# Altium PCB SAM_E54_Xplained_Pro.PcbDoc (part 5 of 5)
Units mm, origin at the board's own origin, x right, y up, seen from the top; angles counter-clockwise.
Board outline 80 x 100 mm, 4 copper layers (Top Layer LF-signals, GND, POWER, Bottom Layer LF-signals), stack 1.598 mm thick; 301 components, 262 nets, 1303 pads, 552 vias.
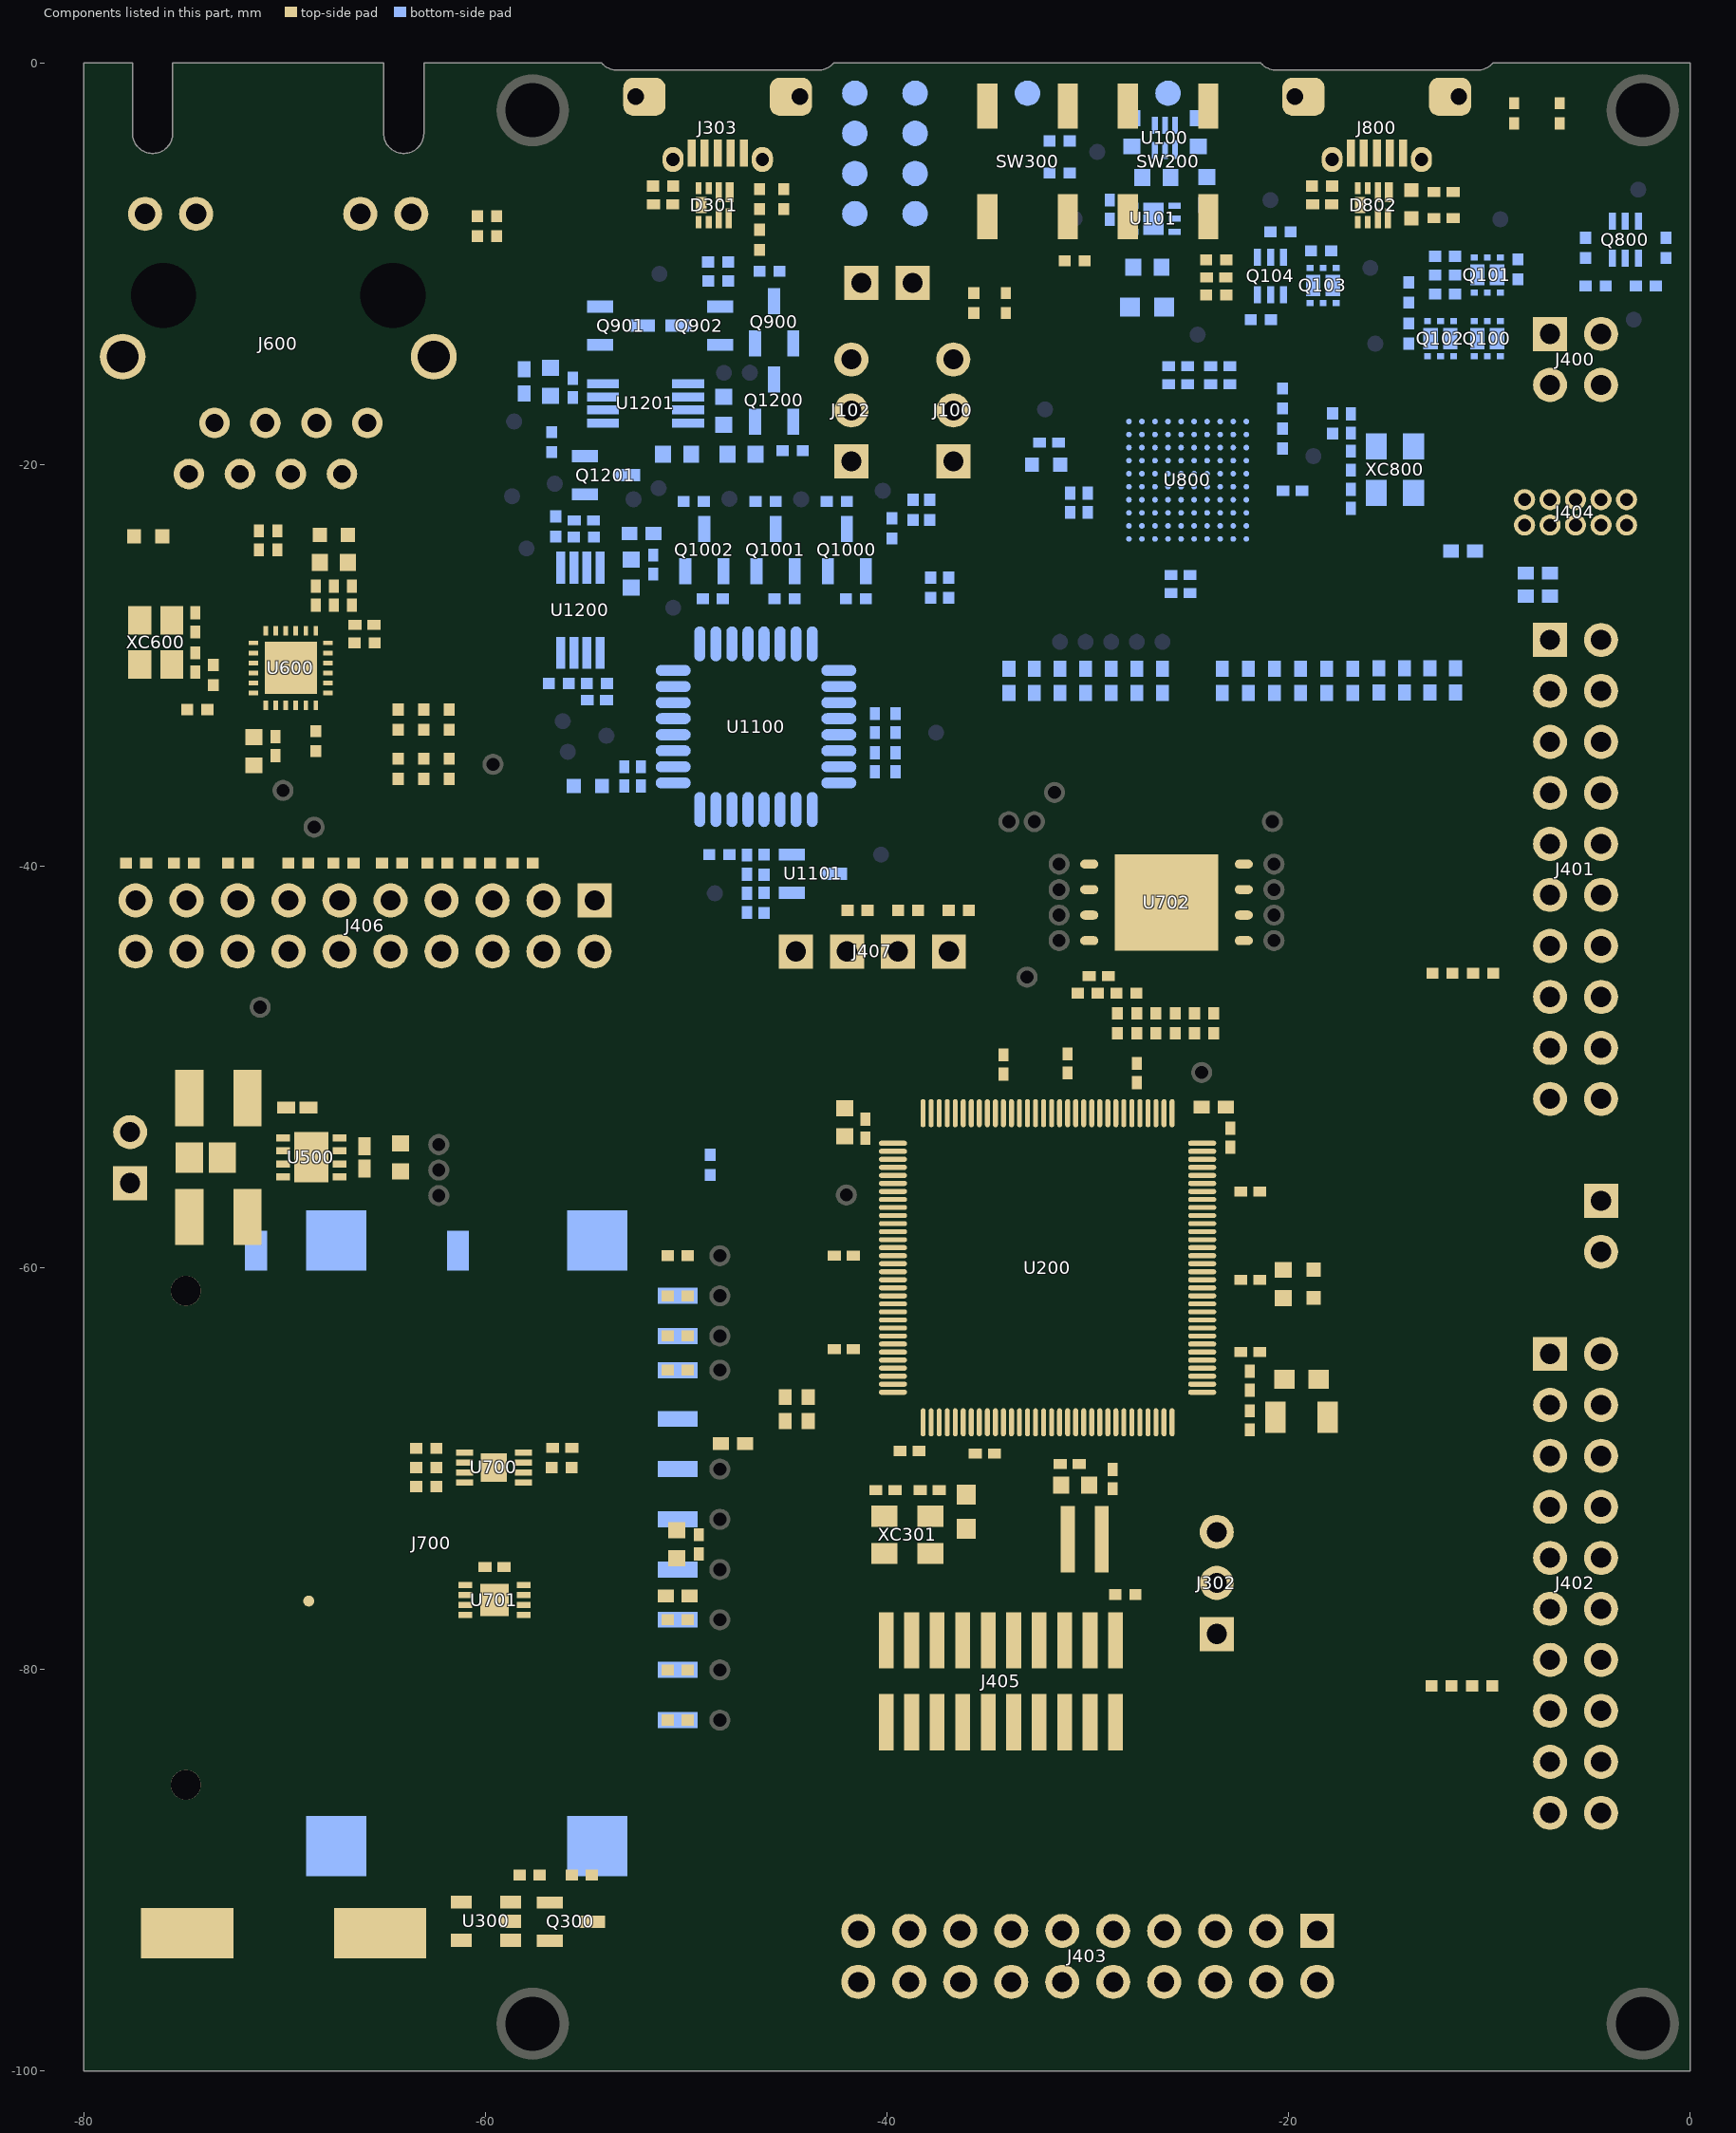
[diagram p7: the components of this part, seen from the top]

## Via types
v1: diameter 0.55, hole 0.25, Top Layer LF-signals to Bottom Layer LF-signals, 333 vias
v2: diameter 0.55, hole 0.25, Top Layer LF-signals to Bottom Layer LF-signals, tented both sides, 116 vias
v3: diameter 0.55/0.8 (per signal layer), hole 0.25, Top Layer LF-signals to Bottom Layer LF-signals, tented top, 65 vias
v4: diameter 0.55, hole 0.25, Top Layer LF-signals to Bottom Layer LF-signals, tented top, 13 vias
v5: diameter 0.4, hole 0.2, Top Layer LF-signals to Bottom Layer LF-signals, tented top, 10 vias
v6: diameter 0.4, hole 0.2, Top Layer LF-signals to Bottom Layer LF-signals, tented both sides, 8 vias
v7: diameter 0.7, hole 0.35, Top Layer LF-signals to Bottom Layer LF-signals, 4 vias
v8: diameter 0.4, hole 0.2, Top Layer LF-signals to Bottom Layer LF-signals, 3 vias

## Nets (pads, with @x,y where several pads share a name; then routed paths per layer and width w, separated by ;. In a path a pad name is that pad's centre, name@x,y a point inside that pad or via, vN(x,y) a via of type N, cw(c..) or ccw(c..) an arc to the next point about the centre after c; other vN are vias at no path point) (continued)
pads on no net: J100.1@-36.696,-19.84 J100.2@-36.696,-17.3 J100.3@-36.696,-14.76 J102.1@-41.776,-19.84 J102.2@-41.776,-17.3 J102.3@-41.776,-14.76 J302.1@-23.575,-78.24 J302.2@-23.575,-75.7 J302.3@-23.575,-73.16 J303.6@-44.834,-1.675 J303.7@-52.034,-1.675 J303.8@-46.209,-4.8 J303.9@-50.659,-4.8 J400.1@-6.97,-13.49 J400.2@-4.43,-13.49 J400.3@-6.97,-16.03 J400.4@-4.43,-16.03 J401.1@-6.97,-28.73 J401.2@-4.43,-28.73 J401.3@-6.97,-31.27 J401.4@-4.43,-31.27 J401.5@-6.97,-33.81 J401.6@-4.43,-33.81 J401.7@-6.97,-36.35 J401.8@-4.43,-36.35 J401.9@-6.97,-38.89 J401.10@-4.43,-38.89 J401.11@-6.97,-41.43 J401.12@-4.43,-41.43 J401.13@-6.97,-43.97 J401.14@-4.43,-43.97 J401.15@-6.97,-46.51 J401.16@-4.43,-46.51 J401.17@-6.97,-49.05 J401.18@-4.43,-49.05 J401.19@-6.97,-51.59 J401.20@-4.43,-51.59 J402.1@-6.97,-64.29 J402.2@-4.43,-64.29 J402.3@-6.97,-66.83 J402.4@-4.43,-66.83 J402.5@-6.97,-69.37 J402.6@-4.43,-69.37 J402.7@-6.97,-71.91 J402.8@-4.43,-71.91 J402.9@-6.97,-74.45 J402.10@-4.43,-74.45 J402.11@-6.97,-76.99 J402.12@-4.43,-76.99 J402.13@-6.97,-79.53 J402.14@-4.43,-79.53 J402.15@-6.97,-82.07 J402.16@-4.43,-82.07 J402.17@-6.97,-84.61 J402.18@-4.43,-84.61 J402.19@-6.97,-87.15 J402.20@-4.43,-87.15 J403.1@-18.57,-93.03 J403.2@-18.57,-95.57 J403.3@-21.11,-93.03 J403.4@-21.11,-95.57 J403.5@-23.65,-93.03 J403.6@-23.65,-95.57 J403.7@-26.19,-93.03 J403.8@-26.19,-95.57 J403.9@-28.73,-93.03 J403.10@-28.73,-95.57 J403.11@-31.27,-93.03 J403.12@-31.27,-95.57 J403.13@-33.81,-93.03 J403.14@-33.81,-95.57 J403.15@-36.35,-93.03 J403.16@-36.35,-95.57 J403.17@-38.89,-93.03 J403.18@-38.89,-95.57 J403.19@-41.43,-93.03 J403.20@-41.43,-95.57 J404.7 J404.8 J405.7 J405.8 J405.11 J405.13 J600.0 J600.1@-65.88,-17.925 J600.2@-67.15,-20.465 J600.3@-68.42,-17.925 J600.4@-69.69,-20.465 J600.5@-70.96,-17.925 J600.6@-72.23,-20.465 J600.7 J600.8@-74.77,-20.465 J600.9@-63.696,-7.511 J600.10@-66.236,-7.511 J600.11@-74.414,-7.511 J600.12@-76.954,-7.511 J600.13@-62.578,-14.623 J600.14@-78.072,-14.623 J700.0 J800.4 J800.6@-12,-1.675 J800.7@-19.2,-1.675 J800.8@-13.375,-4.8 J800.9@-17.825,-4.8 U700.0 U700.9 U701.1 U701.2 U701.3 U701.7 U702.9 U702.10 U702.11 U702.12 U800.A2 U800.A4 U800.A7 U800.B7 U800.C6 U800.D2 U800.D3 U800.D4 U800.D5 U800.D7 U800.E1 U800.E4 U800.E7 U800.E8 U800.G1 U800.G2 U800.G3 U800.G4 U800.G6 U800.G8 U800.G9 U800.G10 U800.H1 U800.H4 U800.H5 U800.H6 U800.H10 U800.J1 U800.J2 U800.J10 U800.K1 U800.K5 U800.K6 U1100.3 U1100.7 U1100.8 U1100.20 U1100.25 U1100.27 XC800.2 XC800.4

## Polygon pours and split planes (outlines as drawn)
no net on Top Overlay "MountingHole_Index" (solid): -4.5,-0.3 -0.3,-0.3 -0.3,-4.5 -4.5,-4.5
GND on Top Layer LF-signals "Top GND Pour" (solid, remove dead copper, pour order 28): -80,0 0,0 0,-100 -80,-100
RJ45_GND on Top Layer LF-signals "RJ45_GND" (solid, remove dead copper, pour order 18): -79.475,-0.708 -61.175,-0.708 -61.175,-22.075 -79.475,-22.075
SHIELD on Top Layer LF-signals "EDBG USB Shield TL" (solid, remove dead copper, pour order 14): -10.85,-0.35 -20.35,-0.35 -20.35,-5.475 -10.85,-5.475
TARGET_USB_SHIELD on Top Layer LF-signals "Target USB Shield TL" (solid, remove dead copper, pour order 20): -43.684,-0.35 -53.184,-0.35 -53.184,-5.475 -43.684,-5.475
GND on Bottom Layer LF-signals "Bottom GND Pour" (solid, remove dead copper, pour order 32): -80,-100 -80,-76.9 -76.3,-76.9 -76.3,-77.1 -68.3,-77.1 -68.3,-69.1 -76.3,-69.1 -76.3,-76.925 -80,-76.925 -80,0 0,0 0,-100
GND on Bottom Layer LF-signals "Regulator Shield BL" (solid, remove dead copper, pour order 16): -22.9,-2.275 -29.825,-2.275 -29.825,-11.125 -22.875,-11.125
GND on Bottom Layer LF-signals "GND_HATCHED" (hatched 45Degree grid 1.6 track 0.3, pour order 24): -68.3,-69.1 -76.3,-69.1 -76.3,-77.1 -68.3,-77.1
VCC_EDBG_P3V3 on POWER (split plane): -0.252,-14.323 -5.9,-14.323 -5.946,-14.33 -5.988,-14.347 -6.025,-14.375 -6.053,-14.412 -6.07,-14.454 -6.077,-14.5 -6.077,-26.602 -6.798,-27.323 -25.127,-27.323 -33.498,-18.952 -33.498,-12.025 -33.504,-11.98 -33.522,-11.937 -33.55,-11.901 -36.05,-9.4 -36.087,-9.372 -36.129,-9.355 -36.175,-9.348 -39.587,-9.348 -39.587,-7.85 -36.689,-4.952 -30.734,-4.952 -30.734,-7.171 -30.728,-7.217 -30.711,-7.26 -30.683,-7.296 -28.179,-9.8 -28.143,-9.828 -28.1,-9.845 -28.054,-9.852 -25.15,-9.852 -25.104,-9.845 -25.062,-9.828 -25.06,-9.826 -21.638,-9.826 -13.732,-17.732 -13.701,-17.756 -13.664,-17.771 -13.625,-17.776 -10.594,-17.776 -10.555,-17.771 -10.518,-17.756 -10.487,-17.732 -9.418,-16.663 -9.394,-16.632 -9.379,-16.595 -9.374,-16.556 -9.374,-13.026 -9.379,-12.987 -9.388,-12.965 -9.394,-12.95 -9.418,-12.919 -10.449,-11.888 -10.449,-0.593 -10.314,-0.57 -10.175,-0.53 -10.042,-0.474 -9.915,-0.405 -9.797,-0.321 -9.72,-0.252 -0.252,-0.252
VCC_CM_P3V3 on POWER (split plane): -30.734,-3.84 -30.734,-4.598 -36.762,-4.598 -36.808,-4.605 -36.85,-4.622 -36.887,-4.65 -39.889,-7.652 -39.917,-7.689 -39.934,-7.731 -39.94,-7.777 -39.94,-9.348 -42.4,-9.348 -42.446,-9.355 -42.488,-9.372 -42.525,-9.4 -43.55,-10.425 -43.578,-10.462 -43.595,-10.504 -43.602,-10.55 -43.602,-21.1 -43.595,-21.146 -43.578,-21.188 -43.55,-21.225 -37.237,-27.538 -37.237,-35.722 -54.603,-35.722 -57.048,-33.277 -57.048,-16.073 -52.375,-11.4 -48.827,-7.852 -46.35,-7.852 -46.304,-7.845 -46.262,-7.828 -46.225,-7.8 -41.727,-3.302 -31.273,-3.302
VCC_MCU_P3V3 on POWER (split plane): -39.902,-9.71 -39.902,-19.672 -39.895,-19.717 -39.878,-19.76 -39.85,-19.797 -34.623,-25.023 -34.623,-35.603 -34.623,-45.603 -34.617,-45.649 -34.6,-45.691 -34.572,-45.728 -30.775,-49.525 -30.738,-49.553 -30.696,-49.57 -30.65,-49.577 -23.723,-49.577 -16.702,-56.598 -16.702,-68.252 -23.023,-74.573 -35.902,-74.573 -43.673,-66.802 -43.673,-53.798 -36.935,-47.06 -36.907,-47.024 -36.89,-46.981 -36.884,-46.935 -36.884,-27.465 -36.89,-27.419 -36.907,-27.376 -36.935,-27.34 -43.248,-21.027 -43.248,-10.623 -42.327,-9.702 -39.908,-9.702
VCC_P5V0 on POWER (split plane): -21.403,-0.321 -21.285,-0.405 -21.158,-0.474 -21.025,-0.53 -20.886,-0.57 -20.744,-0.594 -20.601,-0.602 -20.6,-0.602 -10.752,-0.602 -10.752,-11.95 -10.746,-11.99 -10.738,-12.011 -10.731,-12.026 -10.707,-12.057 -9.676,-13.088 -9.676,-16.493 -10.657,-17.474 -13.562,-17.474 -21.468,-9.568 -21.499,-9.544 -21.514,-9.538 -21.536,-9.529 -21.575,-9.524 -25.06,-9.524 -25.062,-9.522 -25.104,-9.505 -25.15,-9.498 -27.981,-9.498 -30.381,-7.098 -30.381,-3.767 -30.387,-3.721 -30.405,-3.679 -30.433,-3.642 -31.075,-3 -31.112,-2.972 -31.154,-2.955 -31.2,-2.948 -41.8,-2.948 -41.846,-2.955 -41.888,-2.972 -41.925,-3 -46.423,-7.498 -48.9,-7.498 -48.946,-7.505 -48.988,-7.522 -49.025,-7.55 -52.625,-11.15 -57.35,-15.875 -57.378,-15.912 -57.395,-15.954 -57.402,-16 -57.402,-33.199 -59.687,-33.199 -60.099,-32.787 -60.099,-12.788 -55.118,-7.807 -55.094,-7.776 -55.079,-7.739 -55.074,-7.7 -55.074,-0.252 -54.314,-0.252 -54.237,-0.321 -54.119,-0.405 -53.992,-0.474 -53.859,-0.53 -53.72,-0.57 -53.578,-0.594 -53.435,-0.602 -53.434,-0.602 -43.434,-0.602 -43.433,-0.602 -43.29,-0.594 -43.148,-0.57 -43.009,-0.53 -42.876,-0.474 -42.749,-0.405 -42.631,-0.321 -42.554,-0.252 -21.48,-0.252
VCC_TARGET_P3V3 on POWER (split plane): 151 vertices, not listed, extent -79.748,-99.748 -0.252,-0.252
NetCS300_1 on GND (split plane): -76.3,-69.099 -68.3,-69.1 -68.3,-77.1 -76.3,-77.1 -76.3,-69.099
GND on GND (split plane): -0.252,-99.748 -79.748,-99.748 -79.748,-0.252 -77.831,-0.252 -77.831,-3.5 -77.831,-3.503 -77.823,-3.64 -77.8,-3.779 -77.761,-3.913 -77.707,-4.043 -77.639,-4.166 -77.558,-4.281 -77.464,-4.385 -77.36,-4.479 -77.245,-4.56 -77.122,-4.628 -76.993,-4.682 -76.858,-4.721 -76.719,-4.744 -76.579,-4.752 -76.439,-4.744 -76.3,-4.721 -76.166,-4.682 -76.036,-4.628 -75.913,-4.56 -75.798,-4.479 -75.694,-4.385 -75.6,-4.281 -75.519,-4.166 -75.451,-4.043 -75.397,-3.913 -75.358,-3.779 -75.335,-3.64 -75.327,-3.503 -75.327,-3.5 -75.327,-0.252 -65.323,-0.252 -65.323,-3.475 -65.323,-3.5 -65.323,-3.503 -65.315,-3.64 -65.291,-3.779 -65.253,-3.913 -65.199,-4.043 -65.131,-4.166 -65.05,-4.281 -64.956,-4.385 -64.851,-4.479 -64.737,-4.56 -64.614,-4.628 -64.484,-4.682 -64.349,-4.721 -64.211,-4.744 -64.071,-4.752 -63.931,-4.744 -63.792,-4.721 -63.657,-4.682 -63.528,-4.628 -63.405,-4.56 -63.29,-4.479 -63.186,-4.385 -63.092,-4.281 -63.011,-4.166 -62.943,-4.043 -62.889,-3.913 -62.85,-3.779 -62.827,-3.64 -62.819,-3.503 -62.819,-3.5 -62.819,-0.252 -54.314,-0.252 -54.237,-0.321 -54.119,-0.405 -53.992,-0.474 -53.859,-0.53 -53.72,-0.57 -53.578,-0.594 -53.435,-0.602 -53.434,-0.602 -43.434,-0.602 -43.433,-0.602 -43.29,-0.594 -43.148,-0.57 -43.009,-0.53 -42.876,-0.474 -42.749,-0.405 -42.631,-0.321 -42.554,-0.252 -21.48,-0.252 -21.403,-0.321 -21.285,-0.405 -21.158,-0.474 -21.025,-0.53 -20.886,-0.57 -20.744,-0.594 -20.601,-0.602 -20.6,-0.602 -10.6,-0.602 -10.599,-0.602 -10.456,-0.594 -10.314,-0.57 -10.175,-0.53 -10.042,-0.474 -9.915,-0.405 -9.797,-0.321 -9.72,-0.252 -0.252,-0.252

## Keep-outs
Keep-Out Layer:
  lines w0.1: -77.579,-3.6 -77.579,-0.3 -79.7,-0.3 -79.7,-99.7 -0.3,-99.7 -0.3,-0.3 -9.825,-0.3 cw(c-10.6,0.386) -11.23,-0.436 ; -77.579,-3.5 ccw(c-76.579,-3.5) -75.579,-3.5 ; -75.579,-3.6 -75.579,-0.3 -65.071,-0.3 -65.071,-3.5 ccw(c-64.071,-3.5) -63.071,-3.5 -63.071,-0.3 ; -63.171,-0.3 -54.209,-0.3 ccw(c-53.433,0.386) -52.798,-0.432 -44.064,-0.432 ; -44.064,-0.436 ccw(c-43.434,0.386) -42.658,-0.3 -21.375,-0.3 ccw(c-20.599,0.386) -19.964,-0.432 -11.23,-0.432

## Other copper
Top Layer LF-signals:
  pour cut-out: -19.7,-66.2 -19.7,-64.9 -19,-64.9 -19,-66.199
  pour cut-out: -36.7,-71.8 -35.4,-71.8 -35.4,-72.5 -36.699,-72.5
  pour cut-out: -68.05,-68.85 -68.05,-77.35 -76.55,-77.35 -76.55,-68.85
Bottom Layer LF-signals:
  rectangle net GND: -79.471,-77.002 -76.3,-76.773
  pour cut-out: -25.525,-12.8 -25.525,-11.5 -26.7,-11.5 -26.7,-11.125 -27.4,-11.125 -27.4,-11.5 -28.575,-11.5 -28.575,-12.8 -27.4,-12.8 -27.4,-13.25 -26.7,-13.25 -26.7,-12.8
GND (plane layer: these items are gaps in the copper):
  region: -77.05,-67.1 -75,-67.1 -75,-69.099 -77.05,-69.099
POWER (plane layer: these items are gaps in the copper):
  region: -78.3,-67.1 -78.3,-79.1 -66.3,-79.1 -66.3,-67.1
  lines w0.3: -57.225,-33.35 -59.75,-33.35 -60.25,-32.85 -60.25,-12.725 -55.225,-7.7 -55.225,-0.075 ; -25.675,-9.675 -21.575,-9.675 -13.625,-17.625 -10.594,-17.625 -9.525,-16.556 -9.525,-13.026 -10.6,-11.95 -10.6,-0.35
  lines w0.35: -40.5,-9.525 -36.175,-9.525 -33.675,-12.025 -33.675,-19.025 -25.2,-27.5 -6.725,-27.5 -5.9,-26.675 -5.9,-14.5 0,-14.5 ; -39.764,-9.601 -39.764,-7.777 -36.762,-4.775 -30.558,-4.775 ; -37.06,-35.898 -54.677,-35.898 -57.225,-33.35 -57.225,-16 -52.5,-11.275 -48.9,-7.675 -46.35,-7.675 -41.8,-3.125 -31.2,-3.125 -30.558,-3.767 -30.558,-7.171 -28.054,-9.675 -25.15,-9.675 ; -43.85,-66.875 -43.85,-53.725 -37.06,-46.935 -37.06,-27.465 -43.425,-21.1 -43.425,-10.55 -42.4,-9.525 -39.725,-9.525 -39.725,-19.672 -34.447,-24.95 -34.447,-35.603 -34.447,-45.603 -30.65,-49.4 -23.65,-49.4 -16.525,-56.525 -16.525,-68.325 -22.95,-74.75 -35.975,-74.75 -43.85,-66.875

## Silkscreen, mask and mechanical layers (free items; w line width, h text height)
Top Overlay:
  circle w0.1: c-72.351,-73.15 r1.601
  pour cut-out: -4.26,-2.35 ccw(c-2.35,-2.35) -2.35,-4.26 ccw(c-2.345,-2.345) -0.43,-2.35 ccw(c-2.345,-2.355) -2.35,-0.44 ccw(c-2.35,-2.35)
  lines w0.1: -73.95,-73.6 ccw(c-72.35,-73.6) -70.75,-73.6 ; -73.95,-73.525 ccw(c-72.35,-73.525) -70.75,-73.525 ; -73.95,-73.45 ccw(c-72.35,-73.45) -70.75,-73.45 ; -73.95,-73.375 ccw(c-72.35,-73.375) -70.75,-73.375 ; -73.95,-73.301 ccw(c-72.35,-73.301) -70.75,-73.301 ; -73.95,-73.226 ccw(c-72.35,-73.226) -70.75,-73.226 ; -76.3,-77.1 -76.3,-69.1 -68.3,-69.1 -68.3,-77.1 -76.3,-77.1
  lines w0.15: -63.71,-36.275 -63.71,-31.6 ; -62.435,-36.275 -62.435,-31.6 ; -64.985,-36.275 -61.165,-36.275 -61.165,-31.6 -64.985,-31.6 -64.985,-36.275
  lines w0.2: -46.955,-18.68 -45.275,-18.68 ; -46.955,-15.86 -45.275,-15.86 ; -43.95,-19.81 -45.275,-19.81 -45.275,-17.55 -43.95,-17.55 ; -43.95,-16.99 -45.275,-16.99 -45.275,-14.73 -43.95,-14.73 ; -34.675,-19.785 -33.35,-19.785 -33.35,-17.525 -34.675,-17.525 ; -34.675,-16.965 -33.35,-16.965 -33.35,-14.705 -34.675,-14.705 ; -33.35,-18.605 -31.67,-18.605 ; -33.35,-15.835 -31.67,-15.835
  text "VCC_MCU" at -40.925,-5.246 h1 r90
  text "GND" at -59.025,-5.4 h1.52
  text "GND" at -3.75,-5.75 h1.52
  text "VCC_TARGET" at -38.3,-6.875 h1 r90
  text "DEBUG USB" at -20.775,-8.6 h1.5 r90
  text "POWER" at -8.25,-9.103 h1.5 r90
  text "TARGET USB" at -53.609,-9.299 h1.5 r90
  text "STATUS" at -6,-9.5 h1.5 r90
  text "SW0" at -36.2,-10.5 h1.5
  text "RESET" at -29.2,-10.5 h1.5
  text "PWR" at -7.525,-12.025 h1.5
  text "LED0" at -33.425,-12.45 h1.5
  text "5.0V_IN" at -18.725,-13.85 h1.5
  text "GND" at -12.717,-13.879 h1.5
  text "1" at -9.063,-13.913 h1.5
  text "MEASURE" at -31.15,-16.2 h1.5
  text "MEASURE" at -54.024,-16.323 h1.5
  text "5.0V" at -16.684,-16.42 h1.5
  text "VCC" at -12.717,-16.42 h1.5
  text "3" at -9.063,-16.453 h1.5
  text "SAME54" at -8.477,-18.9 h1.5
  text "BYPASS" at -31.075,-19.025 h1.5
  text "BYPASS" at -52.755,-19.144 h1.5
  text "SWD DEBUG" at -9.875,-20.1 h1.5
  text "RJ45 ETHERNET" at -60.007,-22.15 h1.5 r90
  text "I/O" at -36.5,-23.25 h1.5 r90
  text "MCU" at -41.625,-24.4 h1.5 r90
  text "CURRENT" at -42.717,-26.225 h1.5
  text "KSZ8091" at -74.85,-26.443 h1.5
  text "EXT1" at -3.45,-26.85 h1.5
  text "2" at -4.725,-27.1 h1.5
  text "1" at -7.25,-27.125 h1.5
  text "MEASUREMENT" at -44.599,-27.425 h1.5
  text "ID" at -14.203,-29.066 h0.67
  text "GND" at -10.611,-29.066 h0.67
  text "25MHz" at -78.15,-30.975 h1.5 r90
  text "M" at -38.456,-31.3 h11
  text "PHYAD" at -63.886,-31.425 h1.5 r90
  text "PME_EN" at -62.619,-31.425 h1.5 r90
  text "ANEN_SPEED" at -61.336,-31.425 h1.5 r90
  text "PB04" at -14.203,-31.606 h0.67
  text "PB05" at -10.611,-31.606 h0.67
  text "PA06" at -14.203,-34.146 h0.67
  text "PA07" at -10.611,-34.146 h0.67
  text "SAME54" at -37.956,-34.5 h2
  text "X" at -30.181,-35.025 h4
  text "PLAINED" at -26.756,-35.025 h2
  text "PRO" at -17.831,-35.025 h1
  text "ETHLED" at -58.598,-35.261 h0.67
  text "BTN" at -34.456,-36.661 h0.67
  text "PB08" at -14.203,-36.686 h0.67
  text "PB09" at -10.611,-36.686 h0.67
  text "CDCTX" at -38.099,-38.116 h0.67
  text "RX" at -31.633,-38.116 h0.67
  text "DGISS" at -19.778,-38.113 h0.67
  text "N25Q256" at -28.929,-38.375 h1.5
  text "RST" at -77.091,-39.137 h0.67 r90
  text "DO9" at -74.551,-39.137 h0.67 r90
  text "DO1" at -72.011,-39.137 h0.67 r90
  text "DO3" at -69.471,-39.137 h0.67 r90
  text "DO5" at -66.931,-39.137 h0.67 r90
  text "DO7" at -64.391,-39.137 h0.67 r90
  text "PLCK" at -61.851,-39.137 h0.67 r90
  text "VSYNC" at -59.311,-39.137 h0.67 r90
  text "SCL" at -56.771,-39.137 h0.67 r90
  text "VCC" at -54.231,-39.137 h0.67 r90
  text "PB07" at -14.203,-39.226 h0.67
  text "PA27" at -10.611,-39.226 h0.67
  text "D0" at -33.551,-40.231 h0.67
  text "GND" at -19.698,-40.231 h0.67
  text "SCK" at -34.223,-41.501 h0.67
  text "D2" at -19.698,-41.501 h0.67
  text "PA22" at -14.203,-41.766 h0.67
  text "PA23" at -10.611,-41.766 h0.67
  text "PDEC" at -45.925,-42.65 h1.5
  text "D3" at -33.551,-42.771 h0.67
  text "D1" at -19.698,-42.771 h0.67
  text "VCC" at -34.223,-44.041 h0.67
  text "CS" at -19.698,-44.041 h0.67
  text "PCC" at -51.697,-44.282 h1.5 r90
  text "PA05" at -14.203,-44.306 h0.67
  text "PA04" at -10.611,-44.306 h0.67
  text "B" at -39.679,-46.709 h0.67
  text "GND" at -45.431,-46.725 h0.67
  text "C" at -42.219,-46.725 h0.67
  text "A" at -37.139,-46.725 h0.67
  text "PB28" at -14.203,-46.846 h0.67
  text "PB27" at -10.611,-46.846 h0.67
  text "VBUS" at -34.257,-47.075 h0.67
  text "DO8" at -74.551,-47.769 h0.67 r90
  text "DO0" at -72.011,-47.769 h0.67 r90
  text "DO2" at -69.471,-47.769 h0.67 r90
  text "DO4" at -66.931,-47.769 h0.67 r90
  text "DO6" at -64.391,-47.769 h0.67 r90
  text "SDA" at -56.771,-47.769 h0.67 r90
  text "GND" at -54.231,-47.769 h0.67 r90
  text "PWDN" at -77.091,-48.441 h0.67 r90
  text "XCLK" at -61.851,-48.441 h0.67 r90
  text "HSYNC" at -59.311,-49.112 h0.67 r90
  text "PB29" at -14.203,-49.386 h0.67
  text "PB26" at -10.611,-49.386 h0.67
  text "VDDIOB" at -23.448,-50.611 h0.67
  text "SAME54P20A" at -43.779,-50.8 h1.5
  text "CANL" at -79.536,-51.575 h1.5
  text "GND" at -14.203,-51.926 h0.67
  text "VCC" at -10.611,-51.926 h0.67
  text "CAN" at -63.75,-52.6 h1.5
  text "19" at -7.725,-53.925 h1.5
  text "20" at -5.2,-53.925 h1.5
  text "RX" at -61.198,-54.201 h0.67
  text "TX" at -61.198,-55.471 h0.67
  text "USBID" at -46.073,-56.711 h0.67
  text "STBY" at -61.198,-56.741 h0.67
  text "ADC / DAC" at -2.676,-57.655 h0.67
  text "CANH" at -79.598,-58.325 h1.5
  text "GND" at -2.614,-59.546 h0.67
  text "WP" at -47.423,-59.736 h0.67
  text "ANALOG" at -6.325,-60.6 h1.5 r90
  text "CD" at -47.423,-61.736 h0.67
  text "EXT2" at -3.45,-62.41 h1.5
  text "2" at -4.725,-62.66 h1.5
  text "1" at -7.25,-62.685 h1.5
  text "DAT1" at -47.423,-63.736 h0.67
  text "ID" at -14.203,-64.626 h0.67
  text "GND" at -10.611,-64.626 h0.67
  text "DAT0" at -47.423,-65.436 h0.67
  text "PB00" at -14.203,-67.166 h0.67
  text "PA03" at -10.611,-67.166 h0.67
  text "AT24MAC402" at -63.789,-68.35 h1.5
  text "QT BUTTON" at -76.122,-68.675 h1.5
  text "32kHz" at -21.284,-69.675 h1.5
  text "PB01" at -14.203,-69.706 h0.67
  text "PB06" at -10.611,-69.706 h0.67
  text "CLK" at -47.423,-70.366 h0.67
  text "PB14" at -14.203,-72.246 h0.67
  text "PB15" at -10.611,-72.246 h0.67
  text "VCC" at -47.423,-72.866 h0.67
  text "VCC" at -21.759,-73.614 h1.5
  text "ATECC508" at -62.922,-74.375 h1.5
  text "PD00" at -14.203,-74.786 h0.67
  text "PB02" at -10.611,-74.786 h0.67
  text "GND" at -47.423,-75.366 h0.67
  text "12MHz" at -41.254,-75.47 h1.5 r90
  text "PB03" at -21.759,-76.154 h1.5
  text "TRACE" at -37.275,-76.35 h1.5
  text "PD08" at -14.203,-77.326 h0.67
  text "PD09" at -10.611,-77.326 h0.67
  text "CMD" at -47.423,-77.866 h0.67
  text "CAP" at -21.759,-78.694 h1.5
  text "PB17" at -14.203,-79.866 h0.67
  text "PB16" at -10.611,-79.866 h0.67